# Altium PCB Yukitora.PcbDoc (part 3 of 3) (continued)
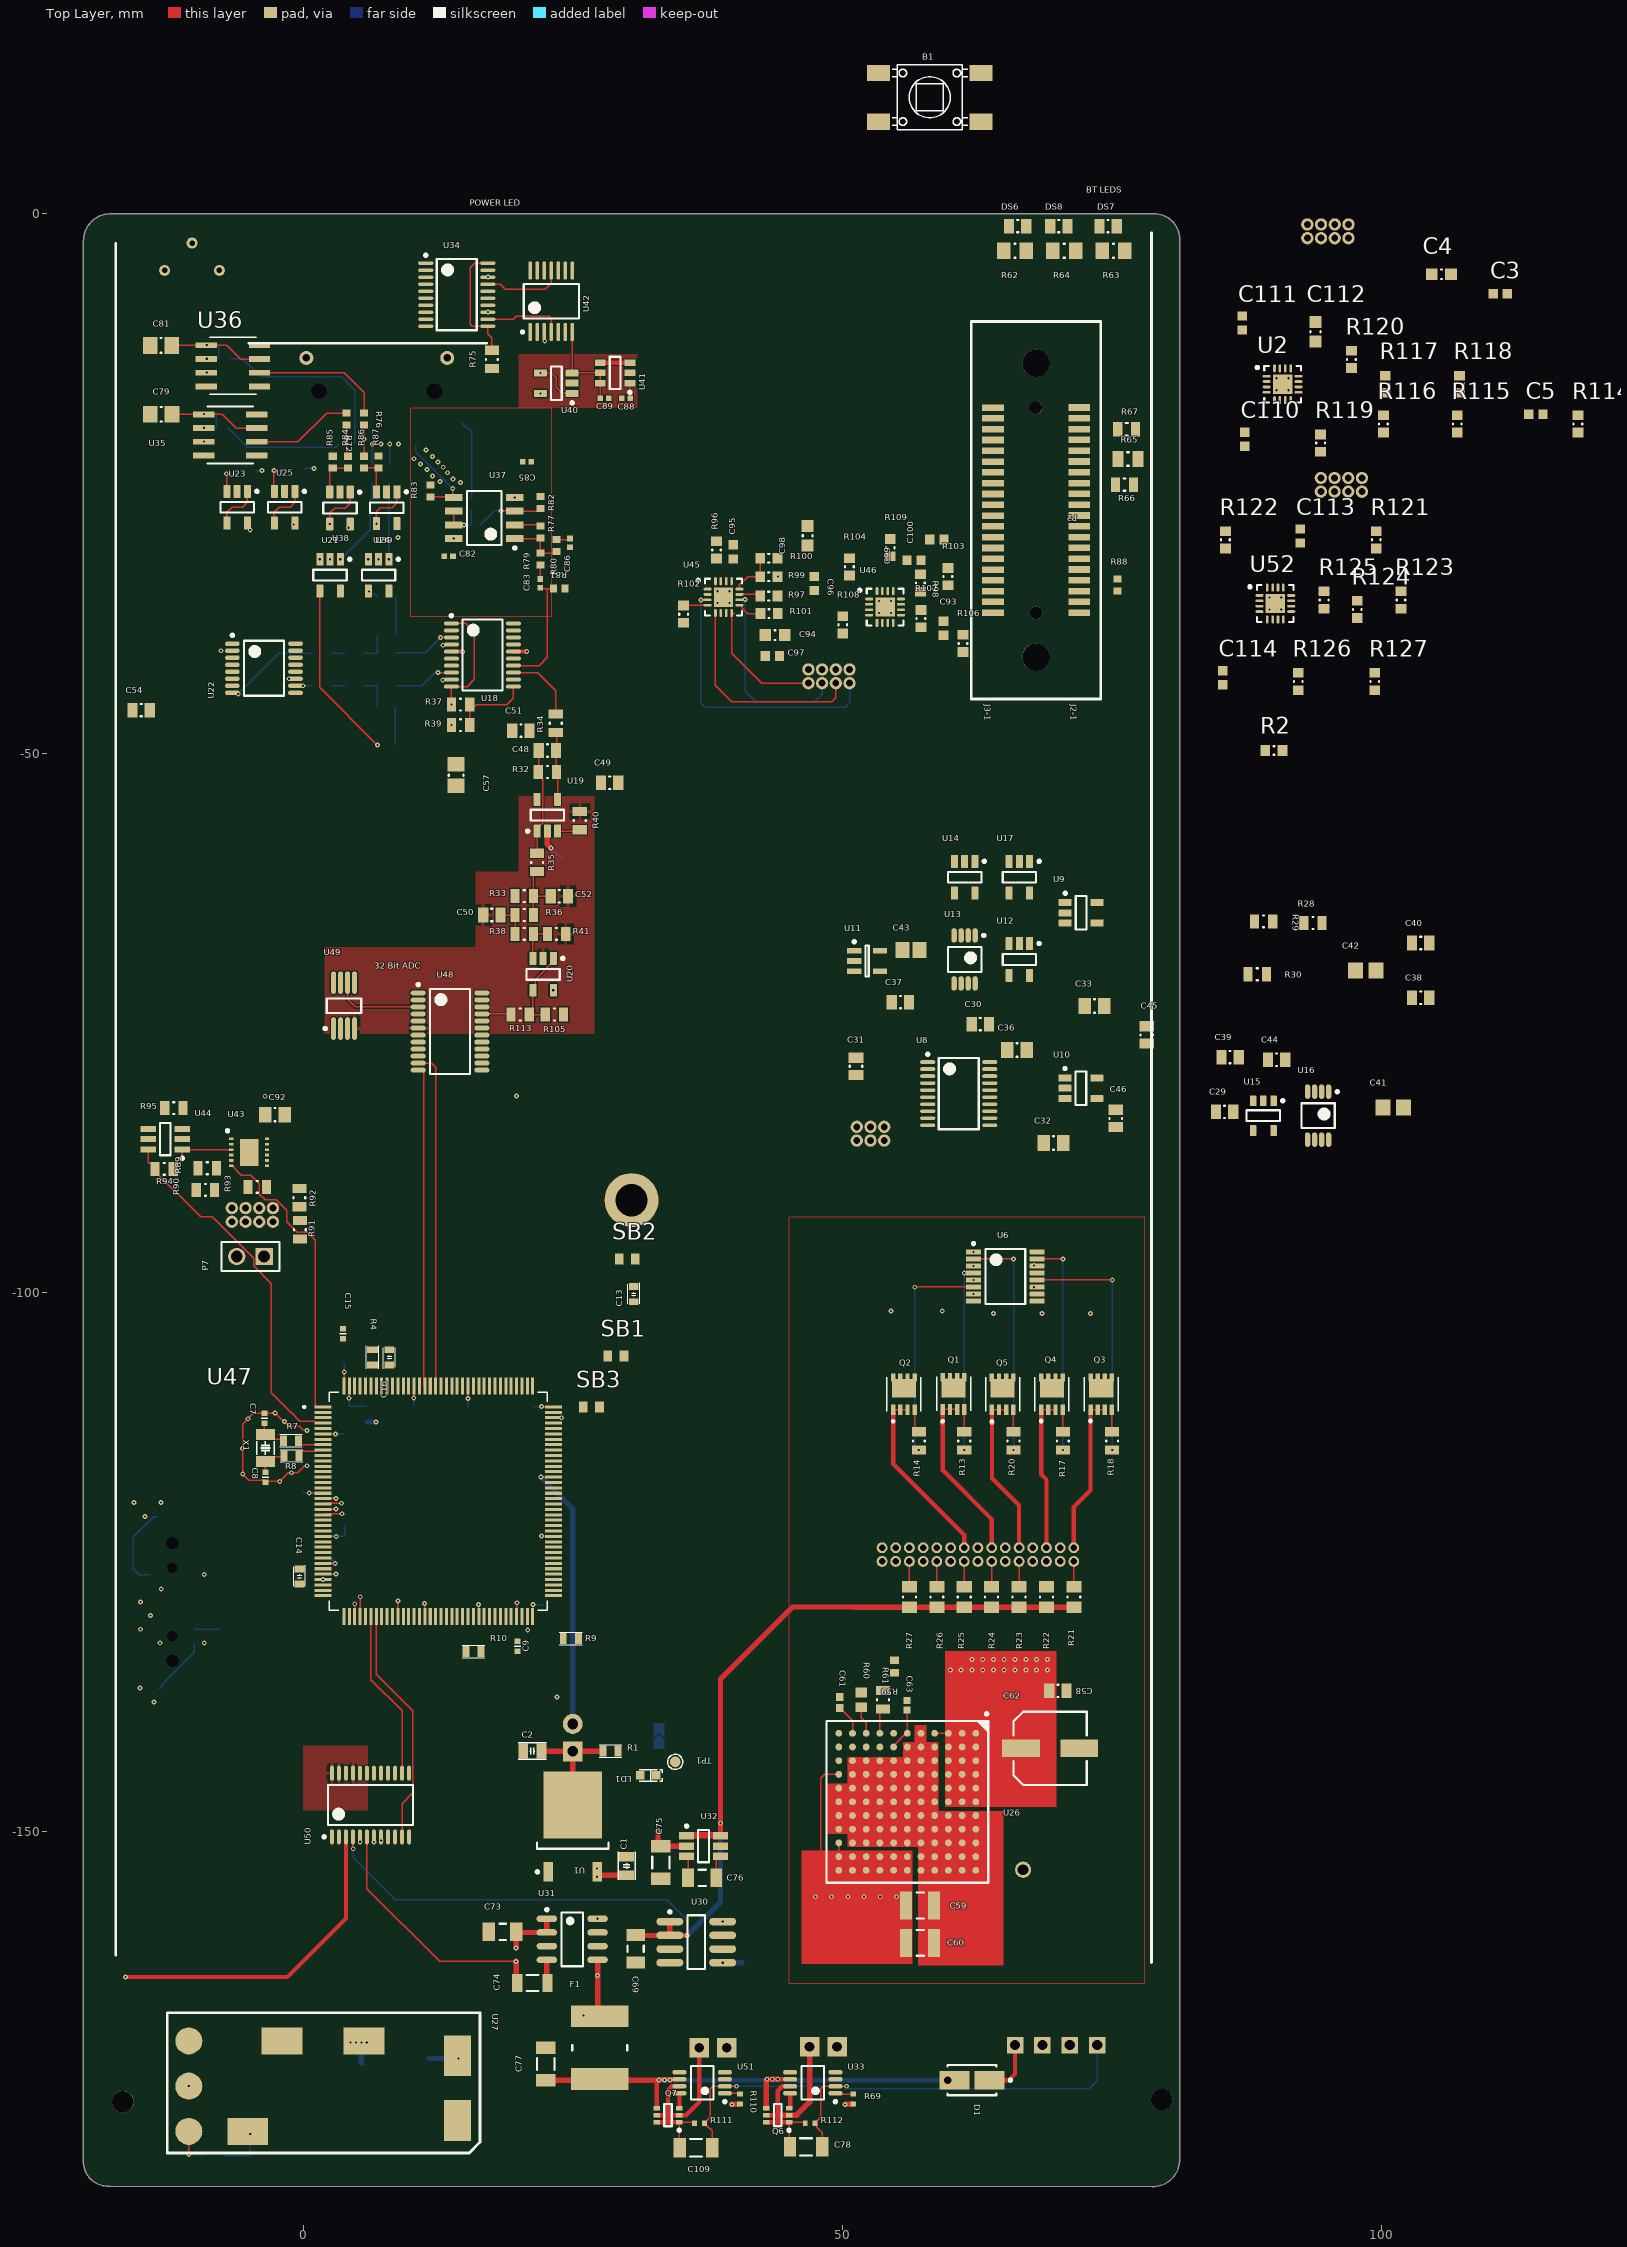
[diagram p0: Top Layer view]
## Nets (pads, with @x,y where several pads share a name; then routed paths per layer and width w, separated by ;. In a path a pad name is that pad's centre, name@x,y a point inside that pad or via, vN(x,y) a via of type N, cw(c..) or ccw(c..) an arc to the next point about the centre after c; other vN are vias at no path point) (continued)
  Top Layer w0.4: Q7.6@32.775,-176.9 33.825,-176.9 ; Q7.5@32.775,-176.25 33.825,-176.25 ; Q7.1@34.875,-176.9 33.825,-176.9 ; U51.7@34.9,-173.575 34.175,-173.575 33.825,-173.925 33.825,-176.25 ; P10.1@36.73,-170 36.73,-175.02 35.5,-176.25 Q7.2@34.875,-176.25 33.825,-176.25 ; 33.825,-176.9 33.825,-176.25
NetC110_1: C110.1 R117.1
NetC114_1: C114.1 R124.1
NetDS6_2: DS6.2 R62.1
NetDS7_2: DS7.2 R63.1
NetDS8_2: DS8.2 R64.1
NetLabel141: U50.10
NetLabel143: U50.12
NetLabel151: U48.14
NetLabel209: 
NetLabel213: U22.12
NetLabel214: U22.15
NetLabel215: U22.13
NetLD1_1: LD1.1 R1.1
NetQ1_4: Q1.4 R13.2 | length 2.1
  Top Layer w0.12: R13.2@61.29,-112.897 Q1.4@61.29,-110.835
NetQ2_4: Q2.4 R14.2 | length 2
  Top Layer w0.12: Q2.4@56.692,-110.864 56.692,-112.842 R14.2@56.7,-112.85
NetQ3_4: Q3.4 R18.2 | length 2
  Top Layer w0.12: R18.2@74.98,-112.871 Q3.4@74.98,-110.864
NetQ4_4: Q4.4 R17.2 | length 2
  Top Layer w0.12: R17.2@70.408,-112.871 Q4.4@70.408,-110.864
NetQ5_4: Q5.4 R20.2 | length 2
  Top Layer w0.12: R20.2@65.836,-112.871 Q5.4@65.836,-110.864
NetQ6_3: Q6.3 U33.8 | length 1.4
  Top Layer w0.12: Q6.3@45.15,-175.46 45.29,-175.6 Q6.3@45.3,-175.6
  Top Layer w0.4: Q6.3@45.15,-175.46 U33.8@45.15,-174.225
NetQ7_3: Q7.3 U51.8 | length 1.4
  Top Layer w0.12: Q7.3@34.875,-175.6 Q7.3@34.9,-175.575
  Top Layer w0.4: Q7.3@34.9,-175.575 U51.8@34.9,-174.225
NetR2_2: R2.2 R97.1 U45.11 | length 2
  Top Layer w0.12: U45.11@40.45,-35.285 42.225,-35.285 R97.1@42.375,-35.435
NetR5_1: R5.1 R6.1 U47.143 | length 3.4
  Top Layer w0.12: v1(4.275,-109.8) 4.291,-109.784 U47.143@4.291,-108.67
  Bottom Layer w0.12: v1(4.275,-109.8) 4.275,-110.45 R6.1@4.375,-110.55 R5.1@5.875,-110.55
NetR29_1: R29.1 U14.3
NetR31_1: R31.1 U17.3
NetR37_2: R37.2 R39.2 U18.11 | length 6.9
  Top Layer w0.12: R39.2@15.45,-47.4 15.45,-46.105 16.055,-45.5 18.9,-45.5 19.5,-44.9 U18.11@19.5,-43.825
NetR38_1: R38.1 R41.2 U20.3 | length 3.6
  Top Layer w0.12: U20.3@21.35,-68.975 21.3,-68.925 21.3,-66.8 R38.1@21.35,-66.75 R41.2@22.65,-66.75
NetR40_2: R40.2 U19.3 | length 1.9
  Top Layer w0.12: U19.3@23.6,-57.225 R40.2@25.525,-57.225
NetR43_2: R43.2 U21.1 | length 8.3
  Bottom Layer w0.12: v1@3.5,-32.025 6.225,-29.3 6.225,-26.545 6.395,-26.375 6.395,-24.99 R43.2@6.435,-24.95
  other v1: 3.45,-32.025
NetR44_1: R44.1 R47.1 R48.1 | length 1.3
  Bottom Layer w0.12: R47.1@2.6,-43.75 R44.1@3.9,-43.75
NetR45_1: R45.1 R50.2 U23.3 | length 2.6
  Top Layer w0.12: v1(-7.1,-24.1) -7.05,-24.15 U23.3@-7.05,-25.725
  Bottom Layer w0.12: v1(-7.1,-24.1) -6.25,-24.1 R45.1@-6.15,-24
NetR46_1: R46.1 U21.4 | length 16.5
  Top Layer w0.12: U21.4@1.55,-34.975 1.55,-43.9 v1(6.9,-49.25)
NetR47_2: R47.2 U22.10 | length 0.9
  Bottom Layer w0.12: v1(0,-43.75) R47.2@0.9,-43.75
NetR48_3: R48.3 R51.1 R52.2 | length 1.3
  Bottom Layer w0.12: R51.1@2.6,-40.75 R52.2@3.9,-40.75
NetR51_2: R51.2 U22.8 | length 8.5
  Bottom Layer w0.12: v1(-6,-44.5) -2.25,-40.75 R51.2@0.9,-40.75
NetR54_2: R54.2 U24.1 | length 7.1
  Bottom Layer w0.12: v1@7.935,-32.025 R54.2@7.935,-24.95
  other v1: 7.95,-32.025
NetR55_1: R55.1 U24.4 | length 1
  Bottom Layer w0.12: v1(6.1,-35) 6.365,-35.265 6.665,-35.265 R55.1@6.9,-35.5
NetR56_1: R56.1 R58.2 U25.3 | length 3.1
  Top Layer w0.12: v1(-2.7,-23.8) -2.7,-25.675 U25.3@-2.65,-25.725
  Bottom Layer w0.12: v1(-2.7,-23.8) -1.65,-23.8 R56.1@-1.55,-23.7
NetR59_1: R59.1 R60.2 U26.J1 | length 2.6
  Top Layer w0.12: R60.2@51.75,-138.425 51.75,-139.4 52.203,-139.853 U26.J1@52.203,-140.852
NetR61_2: R61.2 U26.H1 | length 2.4
  Top Layer w0.12: U26.H1@53.473,-140.852 53.473,-138.877 R61.2@53.75,-138.6
NetR68_1: R68.1 U27.8 | length 3.7
  Top Layer w0.12: v1(-10.591,-179.9) U27.8@-10.591,-177.75
  Bottom Layer w0.12: v1(-10.591,-179.9) R68.1@-9.041,-179.9
NetR68_2: R68.2 R128.1 U27.7 | length 4.3
  Bottom Layer w0.12: R68.2@-7.241,-180 R128.1@-4.941,-180 -4.891,-179.95 v1(-4.891,-178)
NetR70_2: R70.2 R71.1 U35.2 | length 2.6
  Bottom Layer w0.12: v1(-9.179,-19.838) -8.052,-19.838 R71.1@-8.025,-19.865 R70.2@-8.025,-18.4
NetR72_1: R72.1 U35.6 | length 9.4
  Top Layer w0.12: U35.6@-4.286,-21.135 -0.485,-21.135 2.175,-18.475 R72.1@4.04,-18.475
NetR73_2: R73.2 R74.1 U36.2 | length 2.5
  Bottom Layer w0.12: v1(-8.929,-13.438) -8.917,-13.45 R74.1@-7.8,-13.45 R73.2@-7.8,-12.05
NetR76_1: R76.1 U36.6 | length 12.3
  Top Layer w0.12: U36.6@-4.036,-14.735 3.81,-14.735 5.65,-16.575 R76.1@5.65,-18.475
NetR77_1: R77.1 R79.2 R80.1 U37.1 | length 5.1
  Top Layer w0.12: U37.1@19.625,-30.105 21.945,-30.105 R77.1@22,-30.05 R79.2@22,-31.45 R80.1@23.35,-31.45
NetR77_2: R77.2 U37.2 | length 2.4
  Top Layer w0.12: U37.2@19.625,-28.835 21.885,-28.835 R77.2@22,-28.95
NetR84_1: R84.1 R85.2 U38.3 | length 3.7
  Top Layer w0.12: U38.3@2.475,-25.8 2.475,-23.84 2.74,-23.575 R85.2@2.75,-23.575 R84.1@4.15,-23.575
NetR86_1: R86.1 R87.2 U39.3 | length 3.7
  Top Layer w0.12: R86.1@5.65,-23.575 5.675,-23.55 R87.2@7,-23.55 6.8,-23.75 U39.3@6.8,-25.775
NetR88_2: R88.2 U42.9
NetR89_1: R89.1 U43.4
NetR90_1: R90.1 U43.5
NetR93_1: R93.1 U43.7
NetR95_1: R95.1 U44.3
NetR98_2: R98.2 R104.1 U46.11
NetR99_2: R99.2 R100.2 U45.12 | length 4.3
  Top Layer w0.12: U45.12@40.45,-34.785 40.45,-34.385 41.2,-33.635 R99.2@42.375,-33.635 R100.2@42.375,-31.935
NetR101_2: R101.2 U45.9 | length 2.4
  Top Layer w0.12: U45.9@40.45,-36.285 40.611,-36.285 40.671,-36.346 40.671,-36.506 41.218,-37.053 42.393,-37.053 R101.2@42.4,-37.06
NetR102_2: R102.2 U45.4 | length 2.2
  Top Layer w0.12: R102.2@35.275,-36.285 U45.4@37.5,-36.285
NetR105_2: R105.2 R113.2 U20.1 U20.4 | length 7.6
  Top Layer w0.12: R105.2@22.45,-74.225 R113.2@20.975,-74.225 21.3,-73.9 U20.4@21.3,-71.975 21.516,-71.759 21.516,-70.984 23.2,-69.3 U20.1@23.2,-69.025
NetR106_2: R106.2 R107.2 U46.12
NetR108_2: R108.2 U46.9
NetR109_2: R109.2 U46.4
NetR115_1: R115.1 R116.2 U2.11
NetR117_2: R117.2 R118.2 U2.12
NetR119_2: R119.2 U2.9
NetR120_2: R120.2 U2.4
NetR122_1: R122.1 R123.2 U52.11
NetR124_2: R124.2 R125.2 U52.12
NetR126_2: R126.2 U52.9
NetR127_2: R127.2 U52.4
NetR129_1: R129.1 U27.9 | length 1.3
  Bottom Layer w0.12: R129.1@-10.625,-172.275 -10.625,-173.526 v1(-10.591,-173.56)
NetU34_13: U34.13 U36.3 | length 28.4
  Signal Layer 2 w0.12: v1(-8.929,-14.708) 5.792,-14.708 11.402,-9.098 v1(17.16,-9.098)
NetU34_18: U34.18 U35.3 | length 32.7
  Signal Layer 1 w0.12: v1(-9.179,-21.108) 1.9,-21.108 v1(17.16,-5.848)
NetU48_3: U48.3 U49.6 | length 8.4
  Top Layer w0.12: U49.6@4.125,-71.275 4.125,-72.825 4.825,-73.525 U48.3@10.675,-73.525
NRST: B1.1 B1.2 C6.2 U5.1 U47.25 | length 3.1
  Top Layer w0.12: U47.25@1.861,-122.6 v1(3.075,-122.6)
  Bottom Layer w0.12: v1(3.075,-122.6) 3.863,-122.6 3.877,-122.614 C6.2@3.877,-121.573
OSC32_IN: C7.1 R7.2 X1.2 | length 2.6
  Top Layer w0.12: C7.1@-3.584,-112.1 -3.584,-113.05 X1.2@-3.484,-113.15 ; X1.2@-3.084,-113.15 -2.644,-113.59 -1.944,-113.59 R7.2@-1.809,-113.725
OSC32_OUT: C8.1 R8.2 X1.1 | length 2.9
  Top Layer w0.12: C8.1@-3.484,-116.675 X1.1@-3.484,-115.65 -3.044,-115.21 -1.869,-115.21 R8.2@-1.784,-115.125
PA0: U47.34
PA1: U47.35
PA2: U47.36
PA3: R26.1 U7.21 U47.37 | length 2.4
  Top Layer w0.12: R26.1@58.75,-127.275 U7.21@58.75,-124.923
PA4: U38.1 U38.4 U47.40 | length 110.4
  Top Layer w0.12: v1(2.475,-28.75) 2.475,-27.725 2.925,-27.275 3.925,-27.275 4.375,-26.825 U38.1@4.375,-25.8 ; U47.40@5.291,-130.03 5.3,-130.021 v1(5.3,-128.2)
  Signal Layer 4 w0.12: v1(2.475,-28.75) 0.2,-31.025 0.2,-38.775 -1.8,-40.775 -1.8,-52.7 5.4,-59.9 ; v1(5.3,-128.2) 5.3,-59.9
PA5: U23.1 U23.4 U47.41 U48.1 U50.13 | length 4.3
  Top Layer w0.12: U23.4@-7.05,-28.675 -7.05,-27.685 -6.565,-27.2 -5.6,-27.2 -5.15,-26.75 U23.1@-5.15,-25.725
PA6: C44.1 U17.1 U17.4 U25.1 U25.4 U47.42 U48.24 U50.14 | length 20.1
  Top Layer w0.12: U25.4@-2.65,-28.675 -2.7,-28.625 -2.7,-27.7 -2.2,-27.2 -1.2,-27.2 -0.75,-26.75 U25.1@-0.75,-25.725 ; U47.42@6.291,-130.03 6.291,-135.874 9.175,-138.758 U50.14@9.175,-144.55
PA7: U47.43 U50.11 | length 22.2
  Top Layer w0.12: U47.43@6.791,-130.03 6.791,-135.391 10.18,-138.78 10.18,-146.368 9.175,-147.373 U50.11@9.175,-150.45
PA8: U47.100
PA9: U47.101
PA10: U47.102
PA11: U47.103
PA12: U47.104
PA13: U47.105
PA14: U47.109
PA15: CN1.10 U3.1 U47.110 | length 9.4
  Signal Layer 1 w0.12: v1(-14.65,-120.76) -14.65,-127.41 -14.147,-127.913 v1(-14.147,-129.945)
PB0: U47.46
PB1: U39.1 U39.4 U47.47 | length 107.5
  Top Layer w0.12: v1(6.8,-28.725) 6.8,-27.6 7.15,-27.25 8.25,-27.25 8.7,-26.8 U39.1@8.7,-25.775 ; U47.47@8.791,-130.03 8.8,-130.021 v1(8.8,-128.6)
  Signal Layer 2 w0.12: v1(6.8,-28.725) 6.8,-29.73 7.07,-30 v1(8.8,-30)
  Signal Layer 4 w0.12: v1(8.8,-128.6) 8.8,-32.702 v1(8.8,-30)
PB2: U47.48
PB3: U42.14
PB4: U47.134
PB5: U47.135
PB8: U47.139
PB9: U47.140
PB10: U22.2 U47.69 | length 115.3
  Top Layer w0.12: U47.69@19.791,-130.03 19.825,-129.996 v1(19.825,-128.75)
  Signal Layer 2 w0.12: v1(-3.5,-81.8) 19.789,-81.8 v1(19.8,-81.789)
  Signal Layer 4 w0.12: v1(-7.6,-40.5) -6.4,-40.5 -3.5,-43.4 -3.5,-80.3 v1(-3.5,-81.8) ; v1@19.8,-128.8 19.8,-114.5 v1(19.8,-81.789)
PB11: U47.70
PB12: R66.2 U47.73
PB13: R67.2 U47.74
PB14: U47.75
PB15: U47.76
PC0: U47.26
PC1: U47.27
PC2: U47.28
PC2_C: U22.4
PC3: U47.29
PC3_C: U22.3
PC4: U47.44
PC5: U47.45
PC6: U8.11 U8.20 U47.96
PC7: U47.97
PC8: U47.98
PC9: U47.99
PC10: U47.111
PC11: U47.112
PC12: U47.113
PC13: U47.7
PC14-OSC32_IN: R7.1 U47.8 | length 2.5
  Top Layer w0.12: R7.1@-0.409,-113.725 -0.409,-113.84 -0.149,-114.1 U47.8@1.861,-114.1
PC15-OSC32_OUT: R8.1 U47.9 | length 2.6
  Top Layer w0.12: R8.1@-0.384,-115.125 -0.384,-114.945 -0.124,-114.685 1.136,-114.685 1.221,-114.6 U47.9@1.861,-114.6
PD0: C5.2 C95.2 R96.1 R114.1 U2.13 U45.13
PD1: U47.115
PD2: U47.116
PD3: U47.117
PD4: U47.118
PD5: U47.119
PD6: U42.2 U47.122
PD7: U42.13 U47.123
PD10: U47.79
PD11: U47.80
PD12: U47.81
PD13: U47.82
PD14: U47.85
PD15: U6.11 U47.86
  other v1: 67.75,-99.5
PE0: U47.141
PE1: U47.142
PE2: U43.6 U47.1 | length 28
  Top Layer w0.12: U43.6@-6.65,-88.25 -6.575,-88.25 -5.711,-89.114 -4.856,-89.114 -4.057,-89.913 -4.057,-90.872 -3.514,-91.416 -2.479,-91.416 -1.507,-92.388 -1.507,-93.448 -0.535,-94.42 0.425,-94.42 1.141,-95.136 1.141,-110.52 1.221,-110.6 U47.1@1.861,-110.6
PE3: U47.2
PE4: U47.3
PE5: R94.2 U44.6 U47.4 | length 33.8
  Top Layer w0.12: U44.6@-14.35,-86.725 -14.35,-87.9 -14.26,-87.99 -14.09,-87.99 R94.2@-13.725,-88.355 ; R94.2@-13.725,-88.525 -13.725,-88.75 -9.505,-92.97 -8.44,-92.97 -4.585,-96.824 -4.585,-97.525 -2.95,-99.16 -2.95,-109.275 -1.03,-111.195 -0.991,-111.195 -0.754,-111.432 -0.754,-111.471 -0.305,-111.92 1.041,-111.92 1.221,-112.1 U47.4@1.861,-112.1
PE6: U47.5
PE7: C99.2 C113.2 R103.1 R121.1 U46.13 U52.13
PE8: U47.59
PE9: R37.1 U18.1 U18.10 U47.60 | length 10.9
  Top Layer w0.12: v1(13.75,-45.5) U18.10@13.75,-43.825 15.2,-43.825 15.875,-43.15 15.875,-38.75 15.1,-37.975 U18.1@13.75,-37.975
PE10: U47.63
PE11: R39.1 U47.64
  other v1: 13.75,-47.4
PE12: U47.65
PE13: R75.1 U34.11 U34.20 U47.66 | length 11.1
  Top Layer w0.12: U34.20@17.125,-4.575 15.925,-4.575 15.5,-5 15.5,-10.25 15.675,-10.425 U34.11@17.125,-10.425 17.125,-11.125 17.5,-11.5 R75.1@17.5,-12.65
PE14: U47.67
PE15: U47.68
PF0: U47.10
PF1: U47.11
PF2: U47.12
PF3: R25.2 U7.17 U47.13 | length 2.4
  Top Layer w0.12: R25.2@61.29,-127.275 U7.17@61.29,-124.923
PF4: R22.1 U7.5 U47.14
PF5: U47.15
PF6: R23.2 U7.9 U47.18 | length 58.2
  Top Layer w0.12: U47.18@1.861,-119.1 1.886,-119.075 v1(3.05,-119.075) ; R23.2@66.37,-127.275 U7.9@66.37,-124.923
  Signal Layer 1 w0.12: v1(3.05,-119.075) 40.575,-119.075 49.5,-128 54,-128
PF7: R27.2 U7.25 U47.19 | length 64
  Top Layer w0.12: U47.19@1.861,-119.6 1.936,-119.525 v1(3.55,-119.525) ; R27.2@56.21,-127.275 U7.25@56.21,-124.923
  Signal Layer 1 w0.12: v1(3.55,-119.525) 40.025,-119.525 49.5,-129 55,-129 56.21,-127.79 U7.25@56.21,-124.923
PF8: R24.1 U7.13 U47.20 | length 72.4
  Top Layer w0.12: U47.20@1.861,-120.1 1.886,-120.075 v1(3.05,-120.075) ; R24.1@63.83,-127.275 U7.13@63.83,-124.923
  Signal Layer 1 w0.12: v1(3.05,-120.075) 39.6,-120.075 49.05,-129.525 63.03,-129.525 63.83,-128.725 U7.13@63.83,-124.923
PF9: R21.2 U7.1 U47.21 | length 78.9
  Top Layer w0.12: U47.21@1.861,-120.6 1.941,-120.52 2.631,-120.52 2.651,-120.5 v1(3.625,-120.5) ; R21.2@71.45,-127.275 U7.1@71.45,-124.923
  Signal Layer 1 w0.12: v1(3.625,-120.5) 38.975,-120.5 48.45,-129.975 67.95,-129.975 71.45,-126.475 U7.1@71.45,-124.923
PF10: U47.22
PF11: R105.1 U47.49
PF12: U47.50
PF13: C34.1 U14.1 U14.4 U47.53
PF14: U47.54
PF15: U47.55
PG0: U47.56
PG1: U47.57
PG2: U47.87
PG3: U6.7 U47.88
  other v1: 62.15,-100.132
PG4: U6.5 U47.89
  other v1: 62.15,-98.832
PG5: U6.3 U47.90
  other v1: 62.15,-97.532
PG6: U6.14 U47.91
  other v1: 67.75,-97.5
PG7: U47.92
PG8: U47.93
PG9: U42.8 U47.124
PG10: U47.125
PG11: U47.126
PG12: U47.127 U48.11 | length 31.3
  Top Layer w0.12: U48.11@10.675,-78.725 11.925,-78.725 12.291,-79.091 U47.127@12.291,-108.67
PG13: U47.128 U48.13
PG14: U47.129 U48.12 | length 29.8
  Top Layer w0.12: U48.12@10.675,-79.375 11.059,-79.375 11.211,-79.527 11.211,-108.59 U47.129@11.291,-108.67
PG15: U47.132
PH0-OSC_IN: U47.23
PH1-OSC_OUT: U47.24
Power_IN: C1.2 C59.2 C60.2 C70.2 C72.2 F1.2 U1.3 U26.F10 U26.F11 U26.G10 U26.G11 U26.H10 U26.H11 U26.J10 U26.J11 U26.K10 U26.K11 U26.L4 U26.L9 U26.L10 U26.L11 U30.5 U30.8 U31.5 U31.8 | length 68.4
  Top Layer w0.12: U1.3@27.28,-153.7 U1.3@27.58,-154 ; F1.2@27.301,-166.901 F1.2@27.5,-167.1 ; 48,-152 48,-145 48.338,-144.662 U26.L4@49.663,-144.662 ; U26.L10@49.663,-152.282 U26.L9@49.663,-151.012
  Top Layer w0.5: F1.2@27.301,-166.901 U31.5@27.301,-161.854 ; U1.3@27.58,-154 C1.2@30,-154
  Signal Layer 4 w0.12: v1(27.29,-163.3) v1@27.301,-163.289
  Signal Layer 4 w0.5: v1(26,-167) 36.5,-167 38.9,-164.6 v1(38.9,-162.12) v1(38.9,-158.31) 41.21,-156 v1(47.5,-156) v1(49,-156) v1(50.5,-156) v1(52,-156) v1(53.5,-156) v1(55,-156) ; v1@27.301,-163.289 v1(27.301,-158.044) v1@27.301,-153.4
  Bottom Layer w0.12: C70.2@27.29,-162.41 C70.2@27.425,-162.275 ; C72.2@40.68,-162.12 C72.2@40.75,-162.05
  Bottom Layer w0.5: v1(27.29,-163.3) C70.2@27.29,-162.41 ; v1(38.9,-162.12) C72.2@40.68,-162.12
  other v1: 27.25,-154.15 27.25,-153.4
Prefuse: C77.2 D1.2 F1.1 Q6.4 Q7.4 U33.6 U51.6 | length 46.6
  Top Layer w0.12: v1@33.075,-172.935 v1@33.075,-172.925
  Top Layer w0.4: Q7.4@32.775,-175.6 32.775,-173.235 v1@33.075,-172.935 ; v1@33.075,-172.925 U51.6@34.9,-172.925 ; v1(44,-172.925) U33.6@45.095,-172.925
  Top Layer w0.5: C77.2@22.5,-173 v1(33,-173) ; Q6.4@42.95,-175.6 42.95,-173.05 43.015,-172.934 43.02,-172.925 v1(43.5,-172.925) v1(44,-172.925)
  Bottom Layer w0.4: v1(34,-173) v3(59.75,-173)
  Bottom Layer w0.5: v1(33,-173) v1(33.5,-173) v1(34,-173)
  other v1: 43,-172.925
Preset: P6.5 P7.1
PwrCtl: C78.1 C109.1 P4.4 R111.1 R112.1 U33.2 U51.2 | length 54.1
  Top Layer w0.12: C109.1@37.913,-179.271 37.913,-177.713 37.415,-177.215 37.365,-177.215 37.2,-177.05 R111.1@37.2,-177 37.2,-176.95 37.365,-176.785 37.415,-176.785 37.75,-176.45 37.75,-173.8 37.975,-173.575 U51.2@39.1,-173.575 v1(40.175,-173.575) ; C78.1@48.143,-179.187 48.143,-177.893 47.607,-177.357 47.607,-177.157 R112.1@47.45,-177 47.45,-176.95 47.615,-176.785 47.665,-176.785 48,-176.45 48,-173.8 48.225,-173.575 U33.2@49.35,-173.575 v1(50.375,-173.575)
  Bottom Layer w0.12: v1(40.175,-173.575) v1(50.375,-173.575) 50.615,-173.815 72.86,-173.815 73.62,-173.055 P4.4@73.62,-169.75
"Red LED": P2.J2-11 R62.2
SHAFT_OUT1+: P3.1 P3.2 P8.8 U2.3 U45.3 | length 26.4
  Top Layer w0.12: v1@36.725,-35.785 v1(36.875,-35.785) U45.3@37.5,-35.785
  Bottom Layer w0.12: v1@36.725,-35.785 36.875,-35.935 36.875,-45.375 37.25,-45.75 50.25,-45.75 50.655,-45.345 P8.8@50.655,-43.508
SHAFT_OUT1-: P3.3 P3.4 P8.6 U2.5 U45.5 | length 20
  Top Layer w0.12: U45.5@38.225,-37.01 38.225,-43.725 39.75,-45.25 49,-45.25 49.385,-44.865 P8.6@49.385,-43.508
SHAFT_OUT2+: P3.5 P3.6 P8.4 U2.10 U45.10 | length 17.9
  Top Layer w0.12: U45.10@40.45,-35.785 40.462,-35.773 40.963,-35.773 v1(40.975,-35.76)
  Bottom Layer w0.12: v1(40.975,-35.76) 40.975,-44.275 41.95,-45.25 47.396,-45.25 48.115,-44.531 P8.4@48.115,-43.508
SHAFT_OUT2-: P3.7 P3.8 P8.2 U2.8 U45.8 | length 12.3
  Top Layer w0.12: U45.8@39.725,-37.01 39.735,-37.02 39.96,-37.02 39.75,-37.23 39.75,-40.75 42.508,-43.508 P8.2@46.845,-43.508
SPI1_MISO_DELAY: R94.1 U43.3 U44.1 | length 6.6
  Top Layer w0.12: R94.1@-12.025,-88.355 -11.66,-87.99 -11.49,-87.99 -11.2,-87.7 U44.1@-11.2,-86.725 -11.175,-86.75 U43.3@-6.65,-86.75
Stat1: R110.1 U51.1 | length 1.3
  Top Layer w0.12: U51.1@39.1,-174.225 R110.1@40.425,-174.225
Stat2: R69.1 U33.1 | length 1.7
  Top Layer w0.12: U33.1@49.35,-174.225 49.864,-174.225 49.939,-174.3 R69.1@51,-174.3
SWO: U47.133
T_NRST: CN1.12 U4.5 | length 5.5
  Signal Layer 1 w0.12: v1(-15.1,-136.66) -15.083,-136.643 -15.083,-131.23 v1(-15.065,-131.213)
T_SWCLK: CN1.6 U3.4 | length 8
  Signal Layer 1 w0.12: v1(-13.175,-119.46) -13.163,-119.473 -13.163,-127.473 v1(-13.15,-127.485)
T_SWDIO: CN1.4 U3.5 | length 7.8
  Bottom Layer w0.12: CN1.4@-14.147,-126.135 -15.172,-126.135 -15.722,-125.585 -15.722,-122.632 -13.85,-120.76 U3.5@-13.45,-120.76
T_SWO: CN1.8 U3.3 | length 9.5
  Signal Layer 1 w0.12: v1(-15.675,-119.46) -15.675,-128.078 v1(-15.065,-128.688)
T_VCP_RX: CN1.13 U4.1 U47.78 U47.137 | length 5.6
  Bottom Layer w0.12: U4.1@-13.4,-136.66 -13.23,-136.66 -13.09,-136.52 -13.09,-136.351 -10.083,-133.343 CN1.13@-10.083,-132.485
  other v1: -9.165,-132.488
T_VCP_TX: CN1.14 U4.3 U47.77 U47.136 | length 5.7
  Signal Layer 1 w0.12: v1(-13.825,-137.96) -13.825,-133.035 v1(-13.25,-132.46)
"Top Force Plate Force": J1.2 R72.2 R84.2 | length 2.9
  Top Layer w0.12: R72.2@4.04,-19.575 v1(4.04,-20.875) 4.04,-22.365 R84.2@4.15,-22.475
"Top Force Plate Sense": J1.1 R71.2 | length 11.1
  Bottom Layer w0.12: R71.2@-6.925,-19.865 -6.925,-19.915 -6.66,-20.18 -6.61,-20.18 -5.152,-21.638 3.045,-21.638 3.2,-21.483 J1.1@3.2,-21.313
"Top In": U34.17 U42.11 | length 7.5
  Top Layer w0.12: U34.17@17.125,-6.525 18.275,-6.525 18.75,-7 22.469,-7 23.014,-6.455 U42.11@23.014,-5.258
"Top Sense Plate Force": J1.5 R43.1 R45.2 | length 14.7
  Signal Layer 1 w0.12: v1(-3.8,-23.8) -3.8,-23.2 -3.234,-22.634 5.791,-22.634 6.435,-21.99 v1(6.435,-21.348)
  Bottom Layer w0.12: R45.2@-4.45,-24 -4.25,-23.8 v1(-3.8,-23.8) ; J1.5@6.325,-21.458 v1(6.435,-21.348) ; R43.1@6.435,-23.25 J1.5@6.435,-21.458
"Top Sense Plate Sense": J1.6 U21.3 | length 13.5
  Signal Layer 4 w0.12: v1(1.55,-32.025) 3.375,-30.2 4.2,-30.2 7.235,-27.165 v1(7.235,-21.348)
Top_In: R42.2 U18.8 | length 5.7
  Top Layer w0.12: v1(12.525,-42.525) U18.8@13.75,-42.525
  Bottom Layer w0.12: R42.2@8.6,-43.75 11.025,-43.75 12.221,-42.554 12.496,-42.554 v1(12.525,-42.525)
VBAT: C13.2
VCAP: U47.71 U47.106
  other v1: 20.825,-131.275 23.966,-111.6
VDD_MCU: C10.2 C18.2 C19.2 C20.2 C21.2 C22.2 C23.2 C24.2 C25.2 C26.2 C27.2 C28.2 R9.2 SB3.1 SB10.2 U47.6 U47.17 U47.30 U47.39 U47.52 U47.62 U47.72 U47.84 U47.108 U47.121 U47.131 U47.144 | length 23.2
  Top Layer w0.12: v1(0.575,-118.575) 1.886,-118.575 U47.17@1.861,-118.6 ; U47.30@1.861,-125.1 v1(2.991,-125.1) ; U47.6@1.861,-113.1 v1(3.002,-113.1) ; U47.144@3.791,-108.67 3.825,-108.636 v1(3.825,-107.35) ; U47.39@4.791,-130.03 v1(4.791,-128.85) ; v1(10.266,-109.775) 10.278,-109.763 10.278,-108.683 U47.131@10.291,-108.67 ; v1(11.266,-128.825) 11.266,-130.005 U47.52@11.291,-130.03 ; v1(15.291,-109.825) U47.121@15.291,-108.67 ; v1(16.266,-128.925) 16.278,-128.938 16.278,-130.018 U47.62@16.291,-130.03 ; U47.72@21.291,-130.03 21.303,-130.018 21.303,-128.938 v1(21.316,-128.925) ; v1(22.091,-110.575) 22.116,-110.6 U47.108@23.221,-110.6 ; v1(22.116,-122.575) 22.128,-122.588 23.208,-122.588 U47.84@23.221,-122.6
  Bottom Layer w0.12: C25.2@-0.05,-118.625 0,-118.575 v1(0.575,-118.575) ; C24.2@2.311,-124.6 2.496,-124.785 2.676,-124.785 v1(2.991,-125.1) ; v1(3.002,-113.1) 3.027,-113.075 C26.2@3.85,-113.075 ; v1(3.825,-107.35) C28.2@3.825,-106.55 ; C18.2@10.266,-110.466 v1(10.266,-109.775) ; v1(11.266,-128.825) 11.266,-129.555 C19.2@11.278,-129.568 ; v1(15.291,-109.825) 15.291,-110.616 C21.2@15.3,-110.625 ; v1(16.266,-128.925) 16.291,-128.95 C20.2@16.291,-129.58 ; v1(21.316,-128.925) 22.121,-128.925 C10.2@22.196,-129 ; C22.2@21.4,-110.6 21.425,-110.575 v1(22.091,-110.575) ; v1(22.116,-122.575) SB10.2@23.475,-122.575
  other v1: 23.541,-137.5
VDDA: C9.2 C14.1 C15.2 R9.1 R10.1 U47.33
  other v1: 1.861,-126.6
VREFP: C16.1 C17.2 R10.2 U47.32 | length 1.2
  Top Layer w0.12: U47.32@1.861,-126.1 v1(3.041,-126.1)
ZSupply: C65.2 C79.1 C81.2 U27.2 U35.1 U35.7 U36.1 U36.7 | length 217.8
  Top Layer w0.12: C81.2@-12.175,-12.2 -12.17,-12.195 U36.1@-8.964,-12.195 -7.055,-12.195 -5.785,-13.465 U36.7@-4.036,-13.465 ; C79.1@-12.15,-18.575 -12.13,-18.595 U35.1@-9.214,-18.595 -7.48,-18.595 -6.21,-19.865 U35.7@-4.286,-19.865 ; U27.2@4.284,-168.175 5.479,-169.37 U27.2@5.649,-169.37
  Signal Layer 3 w0.12: -18.5,-18.498 -18.43,-18.568
  Signal Layer 3 w0.5: -18.43,-18.568 v1(-9.179,-18.568) ; v1(-8.929,-12.168) -16.343,-12.168 -18.5,-14.325 -18.5,-18.498 -18.5,-164.75 -13.75,-169.5 -9.841,-169.5 -8,-169.5 v1(4.409,-169.5) v1(4.909,-169.5) v1(5.409,-169.5) v1(5.909,-169.5)
  Bottom Layer w0.12: C65.2@5.409,-171.4 C65.2@5.659,-171.65
  Bottom Layer w0.5: C65.2@5.409,-171.4 v1(5.409,-169.5)
pads on no net: CN1.0 CN1.1 CN1.2 CN1.9 J1.15 J1.16 P2.hole P2.J2-5 P2.J2-6 P2.J2-7 P2.J2-8 P2.J2-9 P2.J2-10 P2.J2-12 P2.J2-15 P2.J2-17 P2.J2-19 P2.J2-20 P2.J3-1 P2.J3-2 P2.J3-3 P2.J3-4 P2.J3-5 P2.J3-6 P2.J3-7 P2.J3-8 P2.J3-9 P2.J3-10 P2.J3-11 P2.J3-12 P2.J3-13 P2.J3-14 P2.J3-15 P2.J3-16 P2.J3-17 P2.J3-18 P2.J3-19 P2.J3-20 R96.2 R103.2 R114.2 R121.2 U2.1 U2.2 U2.14 U2.15 U2.16 U4.4 U6.9 U6.10 U6.13 U6.16 U7.22 U7.24 U7.26 U7.28 U7.29 U7.30 U8.15 U11.3 U13.4 U16.4 U18.15 U18.17 U18.18 U18.19 U18.20 U22.1 U22.7 U22.14 U22.16 U26.G1 U26.J2 U26.K2 U26.L2 U26.L3 U27.10 U33.4 U33.5 U34.15 U35.5 U36.5 U42.5 U42.10 U43.13 U45.1 U45.2 U45.14 U45.15 U45.16 U46.1 U46.2 U46.14 U47.58 U47.114 U48.2 U48.4 U48.5 U48.9 U48.10 U48.15 U48.18 U48.19 U48.20 U48.22 U48.23 U49.1 U49.2 U49.3 U49.5 U49.7 U49.8 U50.1 U50.17 U50.18 U50.19 U50.20 U50.22 U51.4 U51.5 U52.1 U52.2 U52.14

## Polygon pours and split planes (outlines as drawn)
no net on Top Layer "GND" (solid, pour order 162): 20,-13 31,-13 31,-18 20,-18
AGND on Top Layer "AGND_L01_P158" (solid, pour order 158): 2,-76 27,-76 27,-54 24,-54 20,-54 20,-61 16,-61 16,-68 2,-68
Guard on Top Layer "GND" (solid, shelved, pour order 144): 10,-18 23.025,-18 23.025,-37.35 10,-37.35
AGND on Top Layer "AGND_L01_P152" (solid, pour order 152): 0,-142 0,-148 6,-148 6,-142
GND on Top Layer "GND" (solid, shelved, pour order 140): 45,-164 78,-164 78,-93 45,-93
+12 on Signal Layer 4 "GND" (solid, pour order 138): 53,-123 72,-123 72,-136 53,-136
VDD_MCU on Signal Layer 4 "GND" (solid, shelved, pour order 136): -4.672,-102.235 -4.672,-137.795 27.161,-137.795 27.5,-137.795 27.5,-137.716 27.5,-102.235
Guard on Signal Layer 1 "NONET_L02_P142" (solid, shelved, pour order 142): 10,-18 23.275,-18 23.275,-37.35 10,-37.35
Guard on Bottom Layer "NONET_L06_P146" (solid, shelved, pour order 146): 10,-18 10,-27 16,-27 16,-18
+12 on Signal Layer 3 "NONET_L04_P160" (solid, shelved, pour order 160): 52,-122 73,-122 73,-136 52,-136

## Other copper
Top Layer:
  region net Power_IN: 56.5,-162.25 56.5,-151.725 46.213,-151.725 46.213,-162.25
  region net +12: 69.825,-147.675 69.825,-133.225 59.529,-133.225 59.529,-147.675
  region net GND: 64.95,-162.375 64.95,-148.05 57,-148.05 57,-162.375
  region net GND: 58.925,-151.415 58.925,-143.033 50.475,-143.033 50.475,-151.415
  region net GND: 50.6,-150.2 50.6,-145.5 48.568,-145.5 48.568,-150.2
  region net GND: 57.775,-141.725 57.775,-140.074 56.683,-140.074 56.683,-141.725
  region net GND: 58.925,-144.125 58.925,-141.636 55.6,-141.636 55.6,-144.125
  pour cut-out: 43,-92 77,-92 77,-91 43,-91
  pour cut-out: 43,-91 43,-117 44,-117 44,-91
  pour cut-out: 79,-116 43,-116 43,-117 79,-117
  pour cut-out: 81,-164 43,-164 43,-165 81,-165

## Silkscreen, mask and mechanical layers (free items; w line width, h text height)
Top Overlay:
  lines w0.254: -17.35,-161.4 -17.35,-2.75 ; -5,-12 17,-12 ; 78.65,-162.1 78.65,-1.75
  text "BT LEDS" at 72.6,1.7 h1
  text "POWER LED" at 15.475,0.526 h1
  text "32 Bit ADC" at 6.6,-70.2 h1
Bottom Overlay:
  text "Angle" at 60.2,-20.3 h1.52
  text "Rotatation" at 61.325,-24.75 h1.52
  text "Conning Tower" at 15.2,-26.6 h1.52
  text "Arrestment" at 41.6,-41.6 h1.52
  text "Shaft" at 41.8,-44.15 h1.52
  text "Levels" at 56.625,-59.375 h1.52
  text "HEATER LEDS" at 72.496,-88.553 h1
  text "Encoder" at -0.125,-100.725 h1.52
  text "Heaters" at 67.96,-128.225 h1.52
  text "JTAG" at -4.8,-131.4 h1.52 r270
  text "Lid/ AUX" at 75.675,-166.625 h1.52
  text "Batt2" at 41.25,-167.125 h1.52
  text "Batt1" at 52.05,-167.425 h1.52
Drill Drawing:
  text "NEED CONNECTOR FOR ARRESTMENT MOTOR" at -2.57,27.95 h3.5
  text "NEED CONNECTORS FOR PRESSURE SENSORS" at -2.57,22.87 h3.5
  text "NEED WIRELESS FOR LEVELING PLATE" at -2.57,17.79 h3.5

## Dimensions
81.256,-180.33 to -20.353,-180.33 on M2-Board Dimensions
-17.855,-182.828 to -18.255,-0.361 on M2-Board Dimensions
-20.356,-2.536 to 81.256,-2.536 on M2-Board Dimensions
-17.855,-182.828 to -20.8,-140.5 on M2-Board Dimensions